# Altium PCB HIVE_BOARD.PcbDoc (part 4 of 9) (continued)
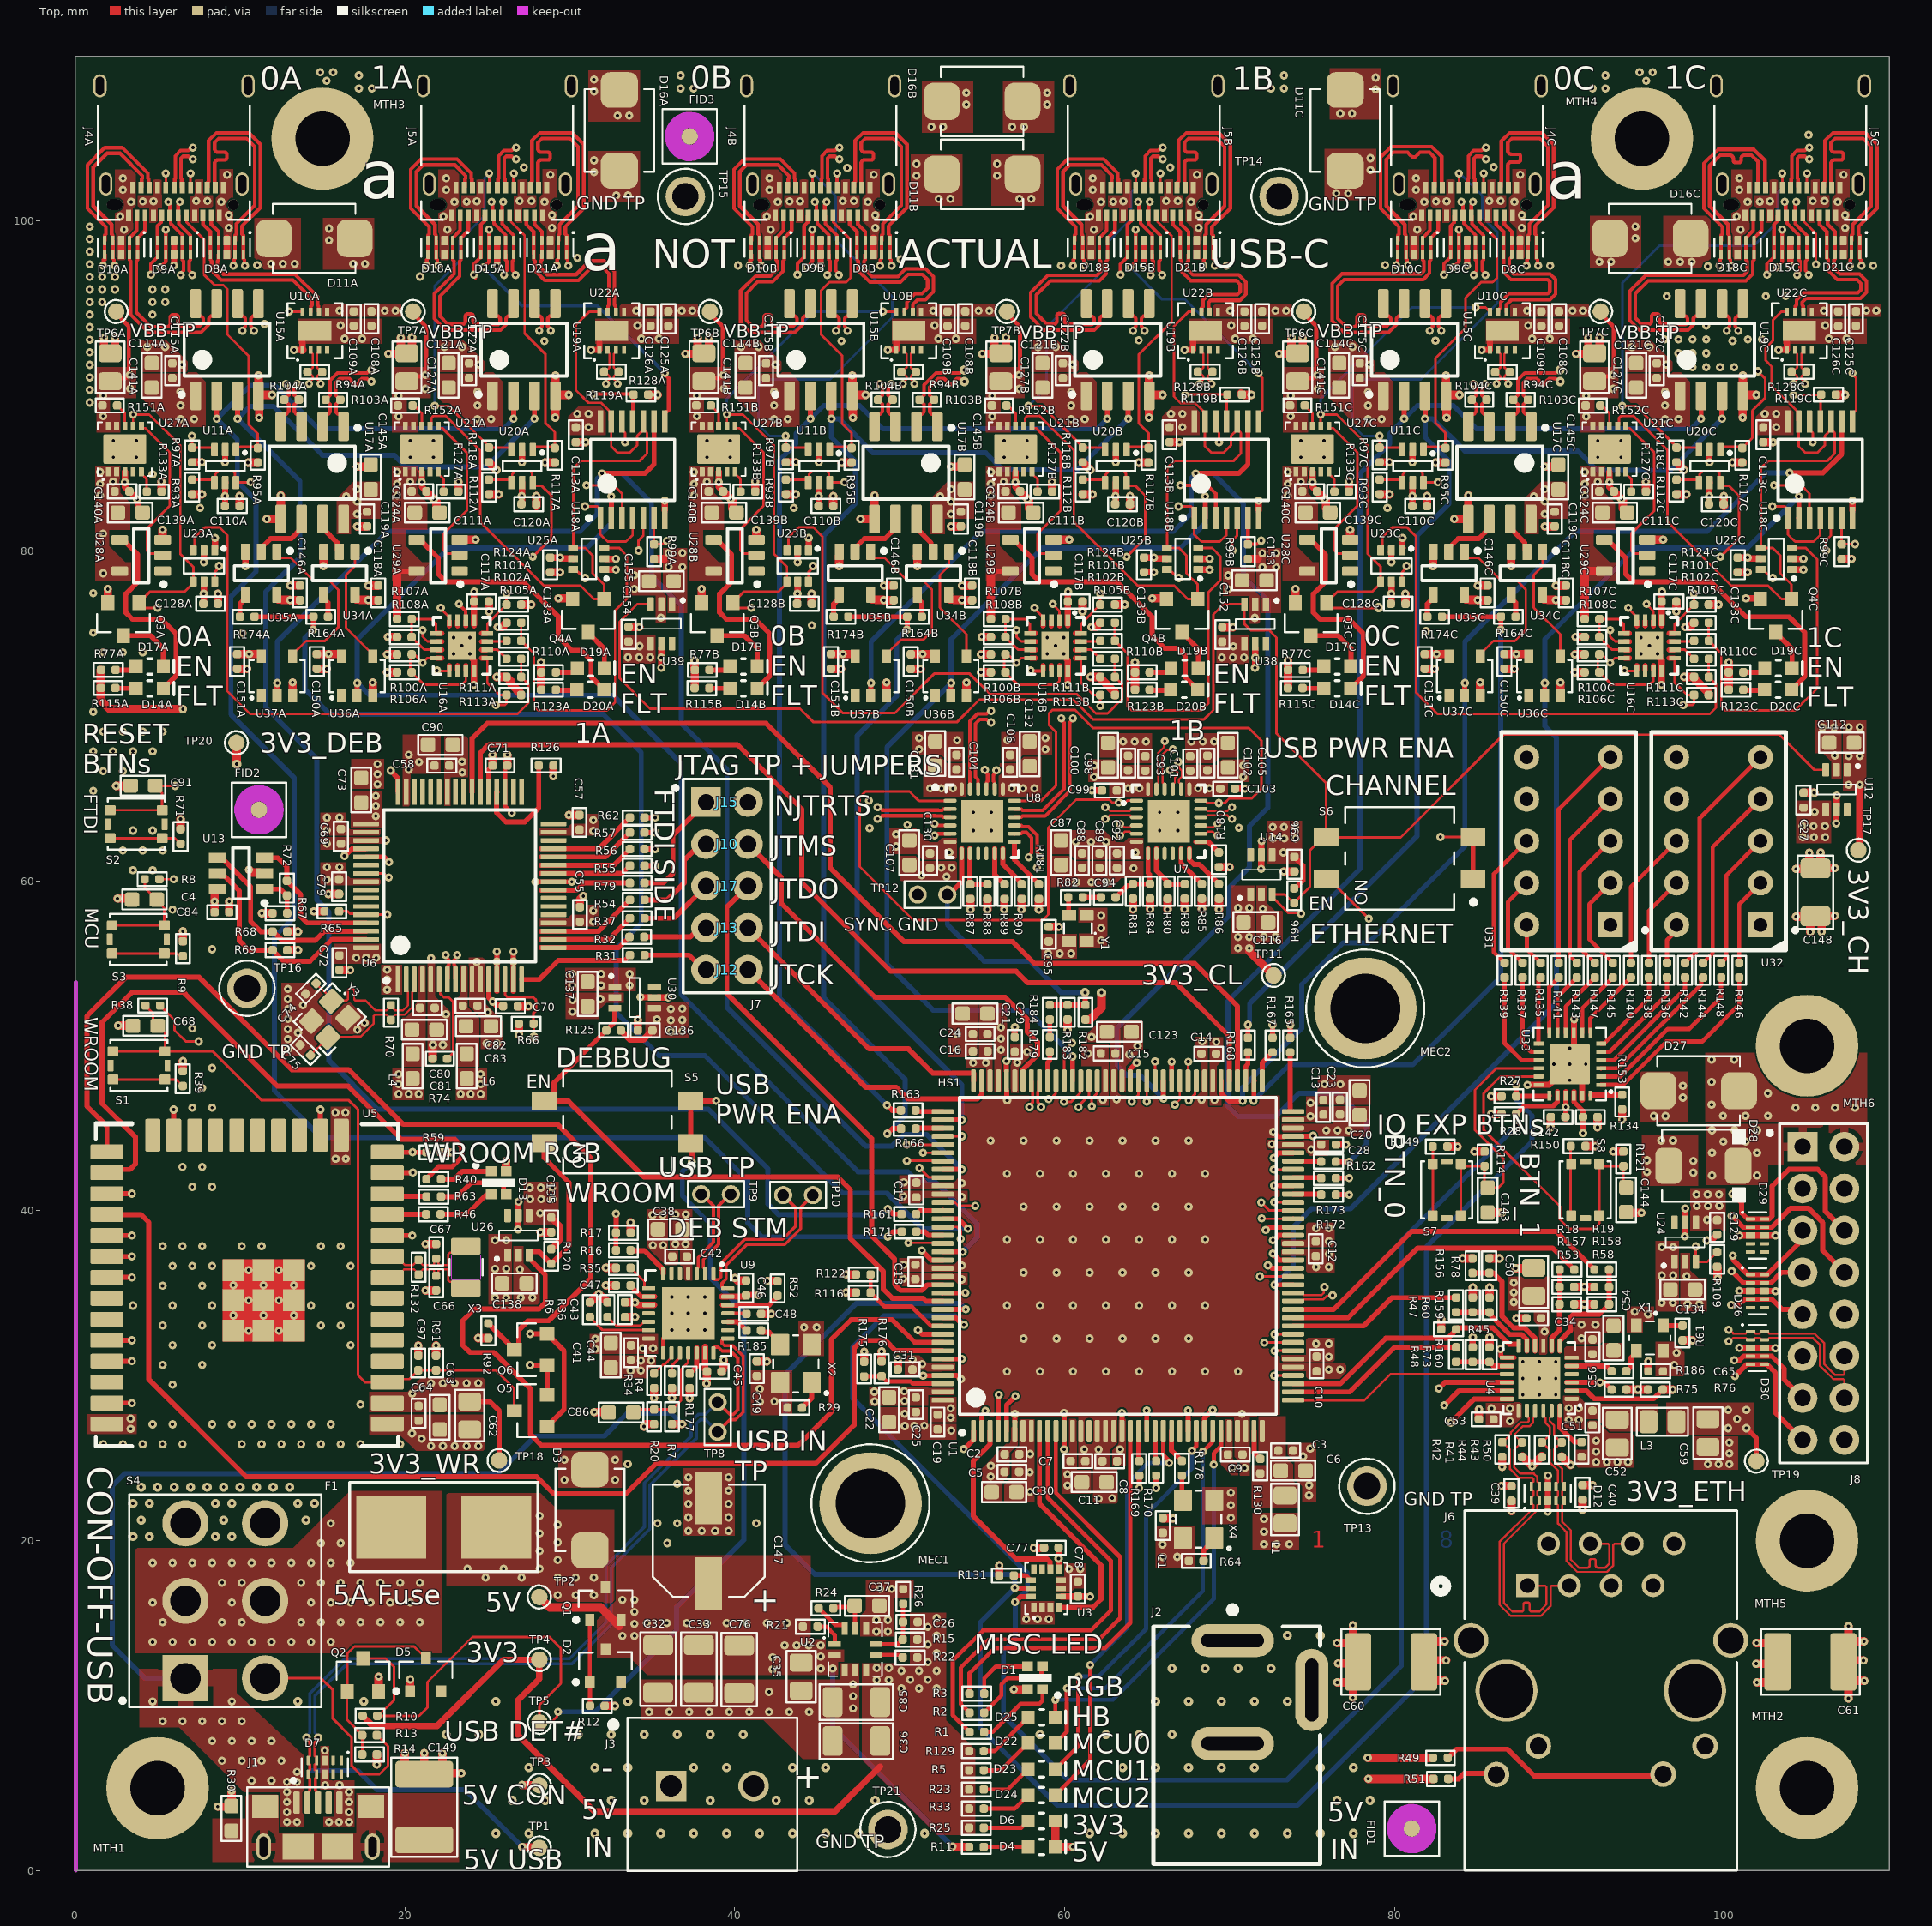
[diagram p0: Top view]
## Nets (pads, with @x,y where several pads share a name; then routed paths per layer and width w, separated by ;. In a path a pad name is that pad's centre, name@x,y a point inside that pad or via, vN(x,y) a via of type N, cw(c..) or ccw(c..) an arc to the next point about the centre after c; other vN are vias at no path point) (continued)
BB_CLK_1B_N: D21B.5 D21B.6 J5B.A3 U22B.7 | length 11.2
  Top w0.216: J5B.A3@66.555,100.335 66.555,99.819 67,99.375 D21B.5@67,98.817 67,97.983 67.008,97.975 67.008,97.652 67.094,97.566 67.094,96.937 67.636,96.395 70.407,96.395 70.637,96.164 70.637,95.71 70.47,95.542 68.704,95.542 68.377,95.215 68.377,94.814 68.303,94.74 68.303,94.518 U22B.7@68.286,94.501
BB_CLK_1B_P: D21B.4 D21B.7 J5B.A2 U22B.6 | length 11.1
  Top w0.216: J5B.A2@67.05,100.34 67.051,100.339 67.051,99.815 67.5,99.366 D21B.4@67.5,98.817 67.5,97.983 67.492,97.975 67.492,97.588 67.436,97.532 67.436,97.079 67.778,96.738 70.549,96.738 70.98,96.306 70.98,95.567 70.612,95.199 68.846,95.199 68.72,95.073 68.72,94.769 68.769,94.72 68.769,94.518 U22B.6@68.786,94.501
BB_CLK_1C_N: D21C.5 D21C.6 J5C.A3 U22C.7 | length 11.2
  Top w0.216: U22C.7@104.286,94.501 104.303,94.518 104.303,94.851 104.365,94.912 104.365,95.223 104.79,95.648 108.092,95.648 108.267,95.824 108.267,96.226 108.04,96.453 106.847,96.453 106.299,97 106.299,97.663 106.2,97.762 D21C.6@106.2,97.982 D21C.5@106.2,98.817 106.2,99.374 105.755,99.819 J5C.A3@105.755,100.334
BB_CLK_1C_P: D21C.4 D21C.7 J5C.A2 U22C.6 | length 11.1
  Top w0.216: U22C.6@104.786,94.501 104.769,94.518 104.769,94.851 104.708,94.912 104.708,95.081 104.932,95.305 108.234,95.305 108.61,95.682 108.61,96.368 108.182,96.796 106.989,96.796 106.642,97.142 106.642,97.65 106.7,97.708 D21C.7@106.7,97.982 ; J5C.A2@106.25,100.34 J5C.A2@106.25,100.34 106.251,99.815 106.7,99.365 D21C.4@106.7,98.817 D21C.7@106.7,97.982
BB_RESET_0A: D9A.5 D9A.6 J4A.A8 R99A.2 U16A.9 U18A.6 | length 65.5
  Top w0.152: D9A.6@4.961,97.776 4.976,97.776 5,97.8 D9A.6@5,97.982 ; J4A.A8@5.208,100.298 J4A.A8@5.25,100.34 ; v1(21.936,72.756) 21.961,72.731 22.681,72.731 22.694,72.719 U16A.9@22.694,72.706 ; U18A.6@35.105,82 35.105,80.416 R99A.2@35.105,80.41 35.626,80.41 35.84,80.623 v1(35.889,80.623)
  Top w0.216: v1(4.597,96.749) 4.597,97.412 D9A.6@4.961,97.776 ; D9A.6@5,97.982 5,99.716 5.208,99.924 5.208,99.971 J4A.A8@5.208,100.298
  Signal_1 w0.152: v1(4.597,96.749) 4.116,96.267 4.116,93.681 4.608,93.189 5.75,93.189 10.534,88.405 10.534,86.038 9.521,85.025 9.521,82.694 9.521,75.645 v1(10.148,75.018)
  Signal_2 w0.152: v1(10.148,75.018) 10.922,74.244 19.188,74.244 20.676,72.756 v1(21.936,72.756) 21.936,74.505 25.94,78.509 25.94,80.447 26.581,81.088 35.236,81.088 35.7,80.623 v1(35.889,80.623)
BB_RESET_0B: D9B.5 D9B.6 J4B.A8 R99B.2 U16B.9 U18B.6 | length 83.9
  Top w0.216: v1(43.797,96.749) 43.797,97.413 44.161,97.777 44.176,97.777 44.2,97.8 44.2,99.699 44.408,99.907 44.408,99.972 44.408,100.298 J4B.A8@44.45,100.34 ; v1(57.936,72.756) 57.961,72.731 58.681,72.731 58.694,72.719 U16B.9@58.694,72.706 ; R99B.2@71.105,80.41 R99B.2@71.105,80.416 ; U18B.6@71.105,82 R99B.2@71.105,80.416 ; v1(71.914,80.627) 71.866,80.627 71.656,80.416 R99B.2@71.105,80.416
  Signal_1 w0.216: v1(43.797,96.749) 43.797,86.596 44.339,86.054 44.339,82.001 43.258,80.921 43.258,76.896 v1(44.67,75.484) ; v1(57.936,72.756) 58.281,73.101 62.001,73.101 64.46,75.561 64.46,79.583 66.037,81.159 71.381,81.159 v1(71.914,80.627)
  Signal_2 w0.216: v1(44.67,75.484) 44.701,75.484 45.891,74.295 55.257,74.295 56.795,72.756 v1(57.936,72.756) 57.936,74.505 61.94,78.509 61.94,80.447 62.581,81.088 71.236,81.088 71.697,80.627 v1(71.914,80.627)
BB_RESET_0C: D9C.5 D9C.6 J4C.A8 R99C.2 U16C.9 U18C.6 | length 64.3
  Top w0.152: v1(93.936,72.756) 93.961,72.731 94.681,72.731 94.694,72.719 U16C.9@94.694,72.706 ; R99C.2@107.105,80.41 R99C.2@107.105,80.416 ; U18C.6@107.105,82 R99C.2@107.105,80.416 ; v1(107.907,80.416) R99C.2@107.105,80.416
  Top w0.216: v1(82.998,96.749) 82.998,97.412 83.361,97.776 83.376,97.776 83.4,97.8 83.4,99.707 83.608,99.915 83.608,99.971 83.608,100.298 J4C.A8@83.65,100.34
  Signal_1 w0.152: v1(81.911,75.15) 81.911,78.736 81.397,79.249 81.397,80.58 80.387,81.59 80.387,85.947 79.847,86.487 79.847,94.686 81.91,96.749 v1(82.998,96.749)
  Signal_2 w0.152: v1(81.911,75.15) 82.757,74.303 91.075,74.303 92.622,72.756 v1(93.936,72.756) 93.936,74.604 97.94,78.608 97.94,80.447 98.581,81.088 107.236,81.088 v1(107.907,80.416)
BB_RESET_1A: D15A.5 D15A.6 J5A.A8 R119A.2 U16A.2 U18A.11 | length 37.6
  Top w0.216: v1@23.26,76.789 23.681,76.368 23.681,75.819 U16A.2@23.694,75.806 ; v1@24.248,96.749 v1@24.248,96.605 ; v1@24.282,96.571 v1@24.248,96.605 ; J5A.A8@24.85,100.34 24.808,100.298 24.808,100.001 24.6,99.793 D15A.5@24.6,98.817 D15A.6@24.6,97.982 24.6,97.8 24.576,97.776 24.562,97.776 24.181,97.395 v1(24.181,96.749) 24.181,96.673 v1@24.248,96.605 ; v1(31.412,89.512) 33.682,89.512 33.736,89.459 33.807,89.529 R119A.2@33.859,89.477 33.832,89.451 33.832,87.877 U18A.11@33.805,87.85
  Signal_1 w0.216: v1(23.277,76.794) 24.473,76.794 25.242,77.563 25.242,79.457 32.034,86.249 32.034,88.89 v1(31.412,89.512) 28.705,92.219 27.853,92.219 24.181,95.891 v1(24.181,96.749)
BB_RESET_1B: D15B.5 D15B.6 J5B.A8 R119B.2 U16B.2 U18B.11 | length 35.5
  Top w0.152: v1@59.26,76.789 59.681,76.368 59.681,75.819 U16B.2@59.694,75.806 ; v1(67.285,89.484) 69.711,89.484 69.736,89.459 69.807,89.529 R119B.2@69.859,89.477 69.832,89.451 69.832,87.877 U18B.11@69.805,87.85
  Top w0.216: v1@63.381,96.673 v1(63.381,96.749) 63.381,97.396 63.762,97.777 63.776,97.777 63.8,97.8 D15B.5@63.8,98.817 63.8,99.794 64.008,100.002 64.008,100.298 J5B.A8@64.05,100.34
  Signal_1 w0.152: v1(59.277,76.794) 60.43,76.794 61.501,77.866 61.501,79.735 63.794,82.028 67.742,85.976 67.742,89.027 v1(67.285,89.484) 64.549,92.219 64.237,92.219 63.643,92.813 63.643,96.486 v1@63.381,96.748
BB_RESET_1C: D15C.5 D15C.6 J5C.A8 R119C.2 U16C.2 U18C.11 | length 47.2
  Top w0.152: v1@95.26,76.789 95.681,76.368 95.681,75.819 U16C.2@95.694,75.806 ; v1(104.182,89.459) 105.736,89.459 105.807,89.529 R119C.2@105.859,89.477 105.832,89.451 105.832,87.877 U18C.11@105.805,87.85
  Top w0.216: v1@102.581,96.673 v1(102.581,96.749) 102.581,97.396 102.962,97.776 102.976,97.776 103,97.8 D15C.5@103,98.817 103,99.793 103.208,100.001 103.208,100.298 J5C.A8@103.25,100.34
  Signal_1 w0.152: v1(95.277,76.794) 95.277,77.485 98.672,80.88 104.182,86.39 v1(104.182,89.459) 103.158,89.459 102.421,90.195 95.995,90.195 94.914,91.276 94.914,92.644 98.485,96.215 98.485,97.457 98.873,97.845 101.485,97.845 v1(102.581,96.749)
BB_SPI_CLK_0A_N: D8A.1 D8A.10 J4A.B10 U15A.5 | length 20.7
  Top w0.216: J4A.B10@8,102.04 8.042,102.082 8.042,102.357 8.093,102.408 8.093,104.875 8.573,105.355 10.541,105.355 11.24,104.656 11.24,100.815 10.121,99.697 10.121,99.219 10.2,99.14 D8A.1@10.2,98.817 D8A.10@10.2,97.982 10.2,97.725 10.271,97.654 10.271,97.335 v1(10.301,97.305) ; v1(10.837,93.359) 10.837,93.449 10.657,93.629 10.657,94.109 10.784,94.235 10.904,94.235 11.121,94.452 U15A.5@11.121,95.002
  Signal_1 w0.127: v1(10.301,97.305) 10.301,97.262 10.083,97.044 10.083,95.733 10.619,95.197 10.619,93.62 10.837,93.402 v1(10.837,93.359)
BB_SPI_CLK_0A_P: D8A.2 D8A.9 J4A.B11 U15A.6 | length 20.7
  Top w0.216: J4A.B11@8.5,102.04 8.458,102.082 8.458,102.912 8.458,103.49 cw(c8.674,103.49) 8.674,103.705 9.059,103.705 ccw(c9.059,103.846) 9.2,103.846 9.2,104.034 ccw(c9.059,104.034) 9.059,104.175 8.674,104.175 cw(c8.674,104.391) 8.458,104.391 8.458,104.754 8.715,105.012 10.399,105.012 10.897,104.514 10.897,100.957 9.779,99.839 9.779,99.219 9.708,99.148 D8A.2@9.708,98.825 ; v1(9.599,97.305) 9.629,97.335 9.629,97.654 9.7,97.725 D8A.9@9.7,97.982 D8A.2@9.7,98.817 ; U15A.6@9.851,95.002 9.851,94.452 10.068,94.235 10.188,94.235 10.314,94.109 10.314,93.629 10.135,93.449 v1(10.135,93.359)
  Signal_1 w0.127: v1(9.599,97.305) 9.599,97.262 9.817,97.044 9.817,95.623 10.352,95.087 10.352,93.62 10.135,93.402 v1(10.135,93.359)
BB_SPI_CLK_0B_N: D8B.1 D8B.10 J4B.B10 U15B.5 | length 21.6
  Top w0.216: v1(46.837,93.359) 46.837,93.449 46.657,93.629 46.657,94.109 46.784,94.235 46.904,94.235 47.121,94.452 U15B.5@47.121,95.002 ; J4B.B10@47.2,102.04 47.242,102.082 47.242,102.357 47.293,102.409 47.293,104.875 47.773,105.355 49.741,105.355 50.44,104.656 50.44,100.816 49.322,99.697 49.322,99.219 49.4,99.141 D8B.1@49.4,98.817 49.4,97.726 49.471,97.655 49.471,97.336 v1@49.501,97.305
  Signal_1 w0.127: v1(46.837,93.359) 46.837,93.402 46.619,93.62 46.619,93.892 49.283,96.557 49.283,97.044 49.501,97.262 v1(49.501,97.305)
BB_SPI_CLK_0B_P: D8B.2 D8B.9 J4B.B11 U15B.6 | length 21.6
  Top w0.216: U15B.6@45.851,95.002 45.851,94.452 46.068,94.235 46.188,94.235 46.314,94.109 46.314,93.629 46.135,93.449 v1(46.135,93.359) ; J4B.B11@47.7,102.04 47.658,102.082 47.658,102.912 47.658,103.49 cw(c47.874,103.49) 47.874,103.706 48.259,103.706 ccw(c48.259,103.847) 48.4,103.847 48.4,104.035 ccw(c48.259,104.035) 48.259,104.176 47.874,104.176 cw(c47.874,104.392) 47.658,104.392 47.658,104.755 47.916,105.012 49.599,105.012 50.097,104.514 50.097,100.958 48.979,99.839 48.979,99.219 48.908,99.149 D8B.2@48.908,98.826 ; v1(48.799,97.305) 48.829,97.336 48.829,97.655 48.9,97.726 D8B.2@48.9,98.817
  Signal_1 w0.127: v1(46.135,93.359) 46.135,93.402 46.352,93.62 46.352,94.003 49.017,96.667 49.017,97.044 48.799,97.262 v1(48.799,97.305)
BB_SPI_CLK_0C_N: D8C.1 D8C.10 J4C.B10 U15C.5 | length 24.8
  Top w0.216: v1(82.837,93.359) 82.837,93.449 82.657,93.629 82.657,94.109 82.784,94.235 82.904,94.235 83.121,94.452 U15C.5@83.121,95.002 ; J4C.B10@86.4,102.04 86.442,102.082 86.442,102.381 86.469,102.408 86.469,104.851 86.974,105.355 88.941,105.355 89.64,104.656 89.64,100.815 88.522,99.697 88.522,99.219 88.6,99.141 D8C.1@88.6,98.817 D8C.10@88.6,97.982 88.6,97.725 88.671,97.655 88.671,97.335 v1(88.701,97.305)
  Signal_1 w0.127: v1(82.837,93.359) 82.837,93.402 82.619,93.62 82.619,93.764 82.693,93.838 85.796,93.838 88.484,96.525 88.484,97.044 88.701,97.262 v1(88.701,97.305)
BB_SPI_CLK_0C_P: D8C.2 D8C.9 J4C.B11 U15C.6 | length 24.8
  Top w0.216: U15C.6@81.851,95.002 81.851,94.452 82.068,94.235 82.188,94.235 82.314,94.109 82.314,93.629 82.135,93.449 v1(82.135,93.359) ; J4C.B11@86.9,102.04 86.858,102.082 86.858,102.793 86.858,103.371 cw(c87.074,103.371) 87.074,103.587 87.493,103.587 ccw(c87.493,103.728) 87.634,103.728 87.634,103.916 ccw(c87.493,103.916) 87.493,104.057 87.074,104.057 cw(c87.074,104.273) 86.858,104.273 86.858,104.755 87.116,105.012 88.799,105.012 89.297,104.514 89.297,100.958 88.179,99.839 88.179,99.219 88.108,99.148 D8C.2@88.108,98.826 ; v1(87.999,97.305) 88.029,97.335 88.029,97.655 88.1,97.725 D8C.9@88.1,97.982 D8C.2@88.1,98.817
  Signal_1 w0.127: v1(82.135,93.359) 82.135,93.402 82.352,93.62 82.352,93.874 82.583,94.105 85.686,94.105 88.217,96.636 88.217,97.044 87.999,97.262 v1(87.999,97.305)
BB_SPI_CLK_1A_N: D21A.1 D21A.10 J5A.B10 U19A.5 | length 20.9
  Top w0.216: J5A.B10@27.6,102.04 27.642,102.082 27.642,102.357 27.693,102.408 27.693,104.875 28.173,105.355 30.141,105.355 30.84,104.656 30.84,100.775 29.721,99.656 29.721,99.219 29.8,99.14 D21A.1@29.8,98.817 D21A.10@29.8,97.982 29.8,97.725 29.871,97.654 29.871,97.335 v1(29.901,97.305) ; v1(28.837,93.359) 28.837,93.449 28.657,93.629 28.657,94.109 28.784,94.235 28.904,94.235 29.121,94.452 U19A.5@29.121,95.002
  Signal_1 w0.127: v1(28.837,93.359) 28.837,93.402 28.619,93.62 28.619,94.03 29.683,95.094 29.683,97.044 29.901,97.262 v1(29.901,97.305)
BB_SPI_CLK_1A_P: D21A.2 D21A.9 J5A.B11 U19A.6 | length 20.9
  Top w0.216: U19A.6@27.851,95.002 27.851,94.452 28.068,94.235 28.188,94.235 28.314,94.109 28.314,93.629 28.135,93.449 v1(28.135,93.359) ; J5A.B11@28.1,102.04 28.058,102.082 28.058,102.912 28.058,103.49 cw(c28.274,103.49) 28.274,103.705 28.659,103.705 ccw(c28.659,103.846) 28.8,103.846 28.8,104.034 ccw(c28.659,104.034) 28.659,104.175 28.274,104.175 cw(c28.274,104.391) 28.058,104.391 28.058,104.754 28.315,105.012 29.999,105.012 30.497,104.514 30.497,100.917 29.379,99.798 29.379,99.219 29.308,99.148 D21A.2@29.308,98.825 ; v1(29.199,97.305) 29.229,97.335 29.229,97.654 29.3,97.725 D21A.9@29.3,97.982 D21A.2@29.3,98.817
  Signal_1 w0.127: v1(28.135,93.359) 28.135,93.402 28.352,93.62 28.352,94.141 29.417,95.205 29.417,97.044 29.199,97.262 v1(29.199,97.305)
BB_SPI_CLK_1B_N: D21B.1 D21B.10 J5B.B10 U19B.5 | length 23
  Top w0.216: v1(64.837,93.359) 64.837,93.449 64.657,93.629 64.657,94.109 64.784,94.235 64.904,94.235 65.121,94.452 U19B.5@65.121,95.002 ; J5B.B10@66.8,102.04 66.842,102.082 66.842,102.357 66.893,102.409 66.893,104.875 67.374,105.355 69.341,105.355 70.04,104.656 70.04,100.776 68.922,99.657 68.922,99.219 69,99.141 69,97.726 69.071,97.655 69.071,97.336 v1(69.101,97.305)
  Signal_1 w0.127: v1(64.837,93.359) 64.837,93.402 64.619,93.62 64.619,93.764 66.07,95.215 67.309,95.215 68.883,96.79 68.883,97.044 69.101,97.262 v1(69.101,97.305)
BB_SPI_CLK_1B_P: D21B.2 D21B.9 J5B.B11 U19B.6 | length 23
  Top w0.216: U19B.6@63.851,95.002 63.851,94.452 64.068,94.235 64.188,94.235 64.314,94.109 64.314,93.629 64.135,93.449 v1(64.135,93.359) ; J5B.B11@67.3,102.04 67.258,102.082 67.258,102.912 67.258,103.49 cw(c67.474,103.49) 67.474,103.706 67.859,103.706 ccw(c67.859,103.847) 68,103.847 68,104.035 ccw(c67.859,104.035) 67.859,104.176 67.474,104.176 cw(c67.474,104.392) 67.258,104.392 67.258,104.755 67.516,105.012 69.199,105.012 69.697,104.514 69.697,100.918 68.579,99.799 68.579,99.219 68.508,99.149 D21B.2@68.508,98.826 ; v1(68.399,97.305) 68.429,97.336 68.429,97.655 68.5,97.726 D21B.2@68.5,98.817
  Signal_1 w0.127: v1(64.135,93.359) 64.135,93.402 64.352,93.62 64.352,93.874 65.96,95.482 67.198,95.482 68.617,96.9 68.617,97.044 68.399,97.262 v1(68.399,97.305)
BB_SPI_CLK_1C_N: D21C.1 D21C.10 J5C.B10 U19C.5 | length 26.2
  Top w0.216: v1(100.837,93.359) 100.837,93.449 100.657,93.629 100.657,94.109 100.784,94.235 100.904,94.235 101.121,94.452 U19C.5@101.121,95.002 ; J5C.B10@106,102.04 106.042,102.082 106.042,102.357 106.093,102.408 106.093,104.875 106.574,105.355 108.541,105.355 109.24,104.656 109.24,100.775 108.122,99.657 108.122,99.219 108.2,99.141 108.2,97.725 108.271,97.655 108.271,97.335 v1(108.301,97.305)
  Signal_1 w0.127: v1(100.837,93.359) 100.837,93.402 100.619,93.62 100.619,93.764 100.693,93.838 103.824,93.838 106.422,96.436 107.73,96.436 108.084,96.79 108.084,97.044 108.301,97.262 v1(108.301,97.305)
BB_SPI_CLK_1C_P: D21C.2 D21C.9 J5C.B11 U19C.6 | length 26.2
  Top w0.216: U19C.6@99.851,95.002 99.851,94.452 100.068,94.235 100.188,94.235 100.314,94.109 100.314,93.629 100.135,93.449 v1(100.135,93.359) ; J5C.B11@106.5,102.04 106.458,102.082 106.458,102.912 106.458,103.49 cw(c106.674,103.49) 106.674,103.706 107.059,103.706 ccw(c107.059,103.847) 107.2,103.847 107.2,104.034 ccw(c107.059,104.034) 107.059,104.175 106.674,104.175 cw(c106.674,104.391) 106.458,104.391 106.458,104.755 106.716,105.012 108.399,105.012 108.898,104.514 108.898,100.917 107.779,99.799 107.779,99.219 107.708,99.148 D21C.2@107.708,98.826 ; v1(107.599,97.305) 107.629,97.335 107.629,97.655 107.7,97.725 D21C.2@107.7,98.817
  Signal_1 w0.127: v1(100.135,93.359) 100.135,93.402 100.352,93.62 100.352,93.874 100.583,94.105 103.713,94.105 106.311,96.703 107.62,96.703 107.817,96.9 107.817,97.044 107.599,97.262 v1(107.599,97.305)
BB_SPI_MISO_0A_N: D9A.2 D9A.9 J4A.A7 J4A.B7 R104A.1 U17A.4 | length 33.5
  Top w0.216: v1(5.649,101.168) 5.649,101.078 5.75,100.977 J4A.A7@5.75,100.34 5.79,100.299 5.79,99.854 6.492,99.153 6.492,98.825 D9A.2@6.5,98.817 D9A.9@6.5,97.982 6.508,97.975 6.508,97.652 6.578,97.581 6.578,97.234 6.578,96.999 6.399,96.82 v1(6.399,96.729) ; J4A.B7@6.5,102.04 6.458,102.082 6.458,102.54 6.421,102.576 6.421,103.575 6.416,103.58 6.416,103.808 6.543,103.934 6.872,103.934 7.051,103.754 v1(7.142,103.754) ; U17A.4@12.47,87.542 12.47,88.092 12.687,88.309 12.807,88.309 12.954,88.456 12.954,88.902 R104A.1@12.681,89.174 12.954,89.447 12.954,89.867 12.775,90.046 v1(12.775,90.137)
  Signal_1 w0.127: v1(5.649,101.168) 5.649,101.211 5.866,101.429 5.866,102.221 6.058,102.413 6.058,106.637 6.343,106.922 7.917,106.922 8.166,106.673 8.166,104.481 7.657,103.972 7.403,103.972 7.185,103.754 v1(7.142,103.754) ; v1(6.399,96.729) 6.399,96.686 6.616,96.468 6.616,93.669 8.129,92.157 11.413,92.157 12.993,90.577 12.993,90.423 12.775,90.205 v1(12.775,90.137)
BB_SPI_MISO_0A_P: D9A.1 D9A.10 J4A.A6 J4A.B6 R104A.2 U17A.3 | length 33.5
  Top w0.216: J4A.B6@6,102.04 6.042,102.082 6.042,102.54 6.078,102.576 6.078,103.294 6.074,103.299 6.074,103.95 6.401,104.277 6.872,104.277 7.051,104.457 v1(7.142,104.457) ; v1(6.351,101.168) 6.351,101.078 6.25,100.977 J4A.A6@6.25,100.34 6.291,100.298 6.291,99.838 7,99.13 D9A.1@7,98.817 D9A.10@7,97.982 6.992,97.975 6.992,97.652 6.921,97.581 6.921,97.376 6.921,96.999 v1@7.101,96.82 ; v1(13.477,90.137) 13.477,90.046 13.297,89.867 13.297,89.447 13.57,89.174 13.297,88.902 13.297,88.435 13.424,88.309 13.523,88.309 13.74,88.092 U17A.3@13.74,87.542
  Signal_1 w0.127: v1(6.351,101.168) 6.351,101.211 6.133,101.429 6.133,102.111 6.325,102.302 6.325,106.527 6.453,106.656 7.806,106.656 7.899,106.563 7.899,106.015 7.899,105.571 cw(c7.772,105.571) 7.772,105.444 7.471,105.444 ccw(c7.471,105.329) 7.357,105.329 7.357,105.177 ccw(c7.471,105.177) 7.471,105.063 7.772,105.063 cw(c7.772,104.936) 7.899,104.936 7.899,104.591 7.547,104.239 7.403,104.239 7.185,104.457 v1(7.142,104.457) ; v1(7.101,96.729) 7.101,96.686 6.883,96.468 6.883,93.779 8.239,92.423 11.524,92.423 13.259,90.688 13.259,90.398 13.477,90.18 v1(13.477,90.137)
BB_SPI_MISO_0B_N: D9B.2 D9B.9 J4B.A7 J4B.B7 R104B.1 U17B.4 | length 31.2
  Top w0.216: v1(44.849,101.169) 44.849,101.078 44.95,100.977 J4B.A7@44.95,100.34 44.991,100.299 44.991,99.855 45.692,99.153 45.692,98.826 D9B.2@45.7,98.817 45.7,97.983 45.708,97.975 45.708,97.652 45.778,97.581 45.778,97.234 45.778,97 45.599,96.82 v1(45.599,96.729) ; J4B.B7@45.7,102.04 45.658,102.082 45.658,102.54 45.621,102.577 45.621,103.576 45.617,103.58 45.617,103.808 45.743,103.934 46.072,103.934 46.251,103.755 v1(46.342,103.755) ; U17B.4@48.47,87.542 48.47,88.092 48.687,88.309 48.807,88.309 48.954,88.456 48.954,88.902 R104B.1@48.681,89.174 48.954,89.447 48.954,89.867 48.775,90.046 v1(48.775,90.137)
  Signal_1 w0.127: v1(44.849,101.169) 44.849,101.212 45.067,101.429 45.067,102.222 45.258,102.413 45.258,106.133 45.754,106.629 46.863,106.629 47.366,106.126 47.366,104.481 46.857,103.973 46.603,103.973 46.385,103.755 v1(46.342,103.755) ; v1(45.599,96.729) 45.599,96.686 45.816,96.469 45.816,95.567 44.831,94.581 44.831,93.152 46.03,91.953 47.617,91.953 48.993,90.577 48.993,90.423 48.775,90.205 v1(48.775,90.137)
BB_SPI_MISO_0B_P: D9B.1 D9B.10 J4B.A6 J4B.B6 R104B.2 U17B.3 | length 31.2
  Top w0.216: J4B.B6@45.2,102.04 45.242,102.082 45.242,102.54 45.278,102.577 45.278,103.294 45.274,103.299 45.274,103.95 45.601,104.277 46.072,104.277 46.251,104.457 v1(46.342,104.457) ; v1(45.551,101.169) 45.551,101.078 45.45,100.977 J4B.A6@45.45,100.34 45.492,100.298 45.492,99.838 46.2,99.13 D9B.1@46.2,98.817 46.2,97.983 46.192,97.975 46.192,97.652 46.121,97.581 46.121,97.377 46.121,97 v1@46.301,96.82 ; v1(49.477,90.137) 49.477,90.046 49.297,89.867 49.297,89.447 R104B.2@49.57,89.174 49.297,88.902 49.297,88.435 49.424,88.309 49.523,88.309 49.74,88.092 U17B.3@49.74,87.542
  Signal_1 w0.127: v1(45.551,101.169) 45.551,101.212 45.333,101.429 45.333,102.111 45.525,102.303 45.525,106.023 45.865,106.362 46.753,106.362 47.1,106.015 47.1,105.571 cw(c46.973,105.571) 46.973,105.444 46.671,105.444 ccw(c46.671,105.33) 46.557,105.33 46.557,105.177 ccw(c46.671,105.177) 46.671,105.063 46.973,105.063 cw(c46.973,104.936) 47.1,104.936 47.1,104.592 46.747,104.239 46.603,104.239 46.385,104.457 v1(46.342,104.457) ; v1(46.301,96.729) 46.301,96.686 46.083,96.469 46.083,95.456 45.098,94.471 45.098,93.262 46.14,92.219 47.728,92.219 49.259,90.688 49.259,90.423 49.477,90.205 v1(49.477,90.137)
BB_SPI_MISO_0C_N: D9C.2 D9C.9 J4C.A7 J4C.B7 R104C.1 U17C.4 | length 34.5
  Top w0.216: v1(84.049,101.168) 84.049,101.078 84.15,100.977 J4C.A7@84.15,100.34 84.191,100.299 84.191,99.854 84.892,99.153 84.892,98.826 D9C.2@84.9,98.817 D9C.9@84.9,97.982 84.908,97.975 84.908,97.652 84.978,97.581 84.978,97.234 84.978,96.999 84.799,96.82 v1(84.799,96.729) ; U17C.4@84.47,87.542 84.47,88.092 84.687,88.309 84.807,88.309 84.954,88.456 84.954,88.902 R104C.1@84.681,89.174 84.954,89.447 84.954,89.867 84.775,90.046 v1(84.775,90.137) ; J4C.B7@84.9,102.04 84.858,102.082 84.858,102.54 84.821,102.576 84.821,103.575 84.817,103.58 84.817,103.808 84.943,103.934 85.272,103.934 85.452,103.754 v1(85.542,103.754)
  Signal_1 w0.127: v1(84.049,101.168) 84.049,101.211 84.267,101.429 84.267,102.221 84.458,102.413 84.458,106.637 84.743,106.922 86.317,106.922 86.566,106.673 86.566,104.481 86.058,103.972 85.803,103.972 85.585,103.754 v1(85.542,103.754) ; v1(84.775,90.137) 84.775,90.205 84.993,90.423 84.993,90.577 83.744,91.826 81.897,91.826 81.121,92.602 81.121,94.503 82.126,95.508 84.2,95.508 85.017,96.324 85.017,96.468 84.799,96.686 v1(84.799,96.729)
BB_SPI_MISO_0C_P: D9C.1 D9C.10 J4C.A6 J4C.B6 R104C.2 U17C.3 | length 34.5
  Top w0.216: J4C.B6@84.4,102.04 84.442,102.082 84.442,102.54 84.479,102.576 84.479,103.294 84.474,103.299 84.474,103.95 84.801,104.277 85.272,104.277 85.452,104.457 v1(85.542,104.457) ; v1(84.751,101.168) 84.751,101.078 84.65,100.977 J4C.A6@84.65,100.34 84.692,100.298 84.692,99.838 85.4,99.13 D9C.10@85.4,97.982 85.392,97.975 85.392,97.652 85.321,97.581 85.321,97.376 85.321,96.999 v1@85.501,96.82 ; v1(85.477,90.137) 85.477,90.046 85.297,89.867 85.297,89.447 R104C.2@85.57,89.174 85.297,88.902 85.297,88.435 85.424,88.309 85.523,88.309 85.74,88.092 U17C.3@85.74,87.542
  Signal_1 w0.127: v1(84.751,101.168) 84.751,101.211 84.533,101.429 84.533,102.111 84.725,102.302 84.725,106.527 84.854,106.656 86.207,106.656 86.3,106.563 86.3,106.116 86.3,105.672 cw(c86.173,105.672) 86.173,105.545 85.871,105.545 ccw(c85.871,105.431) 85.757,105.431 85.757,105.278 ccw(c85.871,105.278) 85.871,105.164 86.173,105.164 cw(c86.173,105.037) 86.3,105.037 86.3,104.592 85.947,104.239 85.803,104.239 85.585,104.457 v1(85.542,104.457) ; v1(85.477,90.137) 85.477,90.205 85.259,90.423 85.259,90.688 83.855,92.092 82.008,92.092 81.388,92.712 81.388,94.392 82.237,95.241 84.311,95.241 85.283,96.214 85.283,96.468 85.501,96.686 v1(85.501,96.729)
BB_SPI_MISO_1A_N: D15A.2 D15A.9 J5A.A7 J5A.B7 R103A.2 U17A.1 | length 40.9
  Top w0.216: R103A.2@16.085,89.165 15.816,88.896 15.816,88.435 15.943,88.309 16.063,88.309 16.28,88.092 U17A.1@16.28,87.542 ; R103A.2@16.085,89.169 15.812,89.441 15.812,90.212 16.051,90.451 16.628,90.451 16.769,90.31 16.769,90.243 16.91,90.102 17.098,90.102 17.239,90.243 17.239,90.31 17.38,90.451 17.705,90.451 17.884,90.271 v1(17.975,90.271) ; v1(25.249,101.168) 25.308,101.109 25.308,100.382 J5A.A7@25.35,100.34 J5A.A7@25.39,100.299 ; J5A.A7@25.392,100.298 J5A.A7@25.39,100.299 ; v1(25.999,96.729) 25.999,96.82 26.178,96.999 26.178,97.234 26.178,97.581 26.108,97.652 26.108,97.975 D15A.9@26.1,97.982 ; 26.1,97.66 D15A.9@26.1,97.982 ; J5A.B7@26.1,102.04 26.058,102.082 26.058,102.54 26.021,102.576 26.021,103.575 26.016,103.58 26.016,103.808 26.143,103.934 26.472,103.934 26.651,103.754 v1(26.742,103.754) ; J5A.A7@25.39,100.299 25.39,99.854 26.092,99.153 26.092,98.825 D15A.2@26.1,98.817 D15A.9@26.1,97.982
  Signal_1 w0.127: v1(17.975,90.271) 18.043,90.271 18.261,90.489 19.427,90.489 21.2,92.263 21.2,94.007 20.375,94.833 20.375,97.369 21.068,98.062 25.637,98.062 26.216,97.483 26.216,96.99 25.999,96.772 v1(25.999,96.729) ; v1(25.249,101.168) 25.249,101.211 25.466,101.429 25.466,102.221 25.658,102.413 25.658,105.987 26.219,106.548 27.345,106.548 27.766,106.126 27.766,104.481 27.257,103.972 27.003,103.972 26.785,103.754 v1(26.742,103.754)
BB_SPI_MISO_1A_P: D15A.1 D15A.10 J5A.A6 J5A.B6 R103A.1 U17A.2 | length 40.9
  Top w0.216: U17A.2@15.01,87.542 15.01,88.092 15.227,88.309 15.347,88.309 15.473,88.435 15.473,88.892 R103A.1@15.196,89.169 15.469,89.441 15.469,90.354 15.909,90.794 17.705,90.794 17.884,90.973 v1(17.975,90.973) ; J5A.B6@25.6,102.04 25.642,102.082 25.642,102.54 25.678,102.576 25.678,103.294 25.674,103.299 25.674,103.95 26.001,104.277 26.472,104.277 26.651,104.457 v1(26.742,104.457) ; v1(25.951,101.168) 25.892,101.109 25.892,100.382 J5A.A6@25.85,100.34 25.891,100.298 25.891,99.838 26.6,99.13 D15A.10@26.6,97.982 ; 26.6,97.652 D15A.10@26.6,97.982 ; v1@26.701,96.82 26.521,96.999 26.521,97.376 26.521,97.581 26.592,97.652 26.592,97.975 D15A.10@26.6,97.982
  Signal_1 w0.127: v1(17.975,90.973) 18.043,90.973 18.261,90.756 19.316,90.756 20.934,92.373 20.934,93.897 20.108,94.722 20.108,97.479 20.958,98.329 25.747,98.329 26.483,97.593 26.483,96.99 26.701,96.772 v1(26.701,96.729) ; v1(25.951,101.168) 25.951,101.211 25.733,101.429 25.733,102.111 25.925,102.302 25.925,105.876 26.329,106.281 27.234,106.281 27.5,106.016 27.5,105.571 27.385,105.457 27.384,105.457 27.269,105.343 27.269,105.19 27.384,105.076 27.385,105.076 27.5,104.962 27.5,104.591 27.147,104.239 27.003,104.239 26.785,104.457 v1(26.742,104.457)
BB_SPI_MISO_1B_N: D15B.2 D15B.9 J5B.A7 J5B.B7 R103B.2 U17B.1 | length 42.5
  Top w0.216: R103B.2@52.085,89.165 51.816,88.896 51.816,88.435 51.943,88.309 52.063,88.309 52.28,88.092 U17B.1@52.28,87.542 ; R103B.2@52.085,89.169 51.812,89.441 51.812,89.932 52.125,90.245 52.331,90.451 52.703,90.451 52.844,90.31 52.844,90.243 52.985,90.102 53.173,90.102 53.314,90.243 53.314,90.31 53.455,90.451 53.644,90.451 53.824,90.271 v2(53.914,90.271) ; v1(64.449,101.169) 64.508,101.109 64.508,100.382 J5B.A7@64.55,100.34 J5B.A7@64.591,100.299 ; J5B.A7@64.592,100.298 J5B.A7@64.591,100.299 ; v1(65.199,96.729) 65.199,96.82 65.378,97 65.378,97.234 65.378,97.581 65.308,97.652 65.308,97.975 D15B.9@65.3,97.983 ; 65.3,97.66 D15B.9@65.3,97.983 ; J5B.B7@65.3,102.04 65.258,102.082 65.258,102.54 65.221,102.577 65.221,103.576 65.217,103.58 65.217,103.808 65.343,103.934 65.672,103.934 65.851,103.755 v1(65.942,103.755) ; J5B.A7@64.591,100.299 64.591,99.855 65.292,99.153 65.292,98.826 D15B.2@65.3,98.817 D15B.9@65.3,97.983
  Signal_1 w0.127: v2(53.914,90.271) 53.982,90.271 54.2,90.489 54.465,90.489 55.728,90.489 57.367,92.128 57.367,95.659 60.458,98.75 64.324,98.75 65.416,97.658 65.416,96.99 65.199,96.773 v1(65.199,96.729) ; v1(64.449,101.169) 64.449,101.212 64.667,101.429 64.667,102.222 64.858,102.413 64.858,105.987 65.419,106.548 66.545,106.548 66.966,106.127 66.966,104.481 66.457,103.973 66.203,103.973 65.985,103.755 v1(65.942,103.755)
BB_SPI_MISO_1B_P: D15B.1 D15B.10 J5B.A6 J5B.B6 R103B.1 U17B.2 | length 42.5
  Top w0.216: U17B.2@51.01,87.542 51.01,88.092 51.227,88.309 51.347,88.309 51.473,88.435 51.473,88.892 R103B.1@51.196,89.169 51.469,89.441 51.469,90.074 52.189,90.794 53.644,90.794 53.824,90.973 v2(53.914,90.973) ; J5B.B6@64.8,102.04 64.842,102.082 64.842,102.54 64.878,102.577 64.878,103.294 64.874,103.299 64.874,103.95 65.201,104.277 65.672,104.277 65.851,104.457 v1(65.942,104.457) ; v1(65.151,101.169) 65.092,101.109 65.092,100.382 J5B.A6@65.05,100.34 65.092,100.298 65.092,99.838 65.8,99.13 D15B.10@65.8,97.983 ; 65.8,97.653 D15B.10@65.8,97.983 ; v1@65.901,96.82 65.721,97 65.721,97.377 65.721,97.581 65.792,97.652 65.792,97.975 D15B.10@65.8,97.983
  Signal_1 w0.127: v2(53.914,90.973) 53.982,90.973 54.2,90.756 55.617,90.756 57.1,92.238 57.1,95.769 60.348,99.017 64.435,99.017 65.683,97.768 65.683,96.99 65.901,96.773 v1(65.901,96.729) ; v1(65.151,101.169) 65.151,101.212 64.933,101.429 64.933,102.111 65.125,102.303 65.125,105.877 65.529,106.282 66.434,106.282 66.7,106.016 66.7,105.572 66.585,105.457 66.584,105.457 66.47,105.343 66.47,105.191 66.584,105.076 66.585,105.076 66.7,104.962 66.7,104.592 66.347,104.239 66.203,104.239 65.985,104.457 v1(65.942,104.457)